# Allegro board LAY-38820_A.brd (continued)
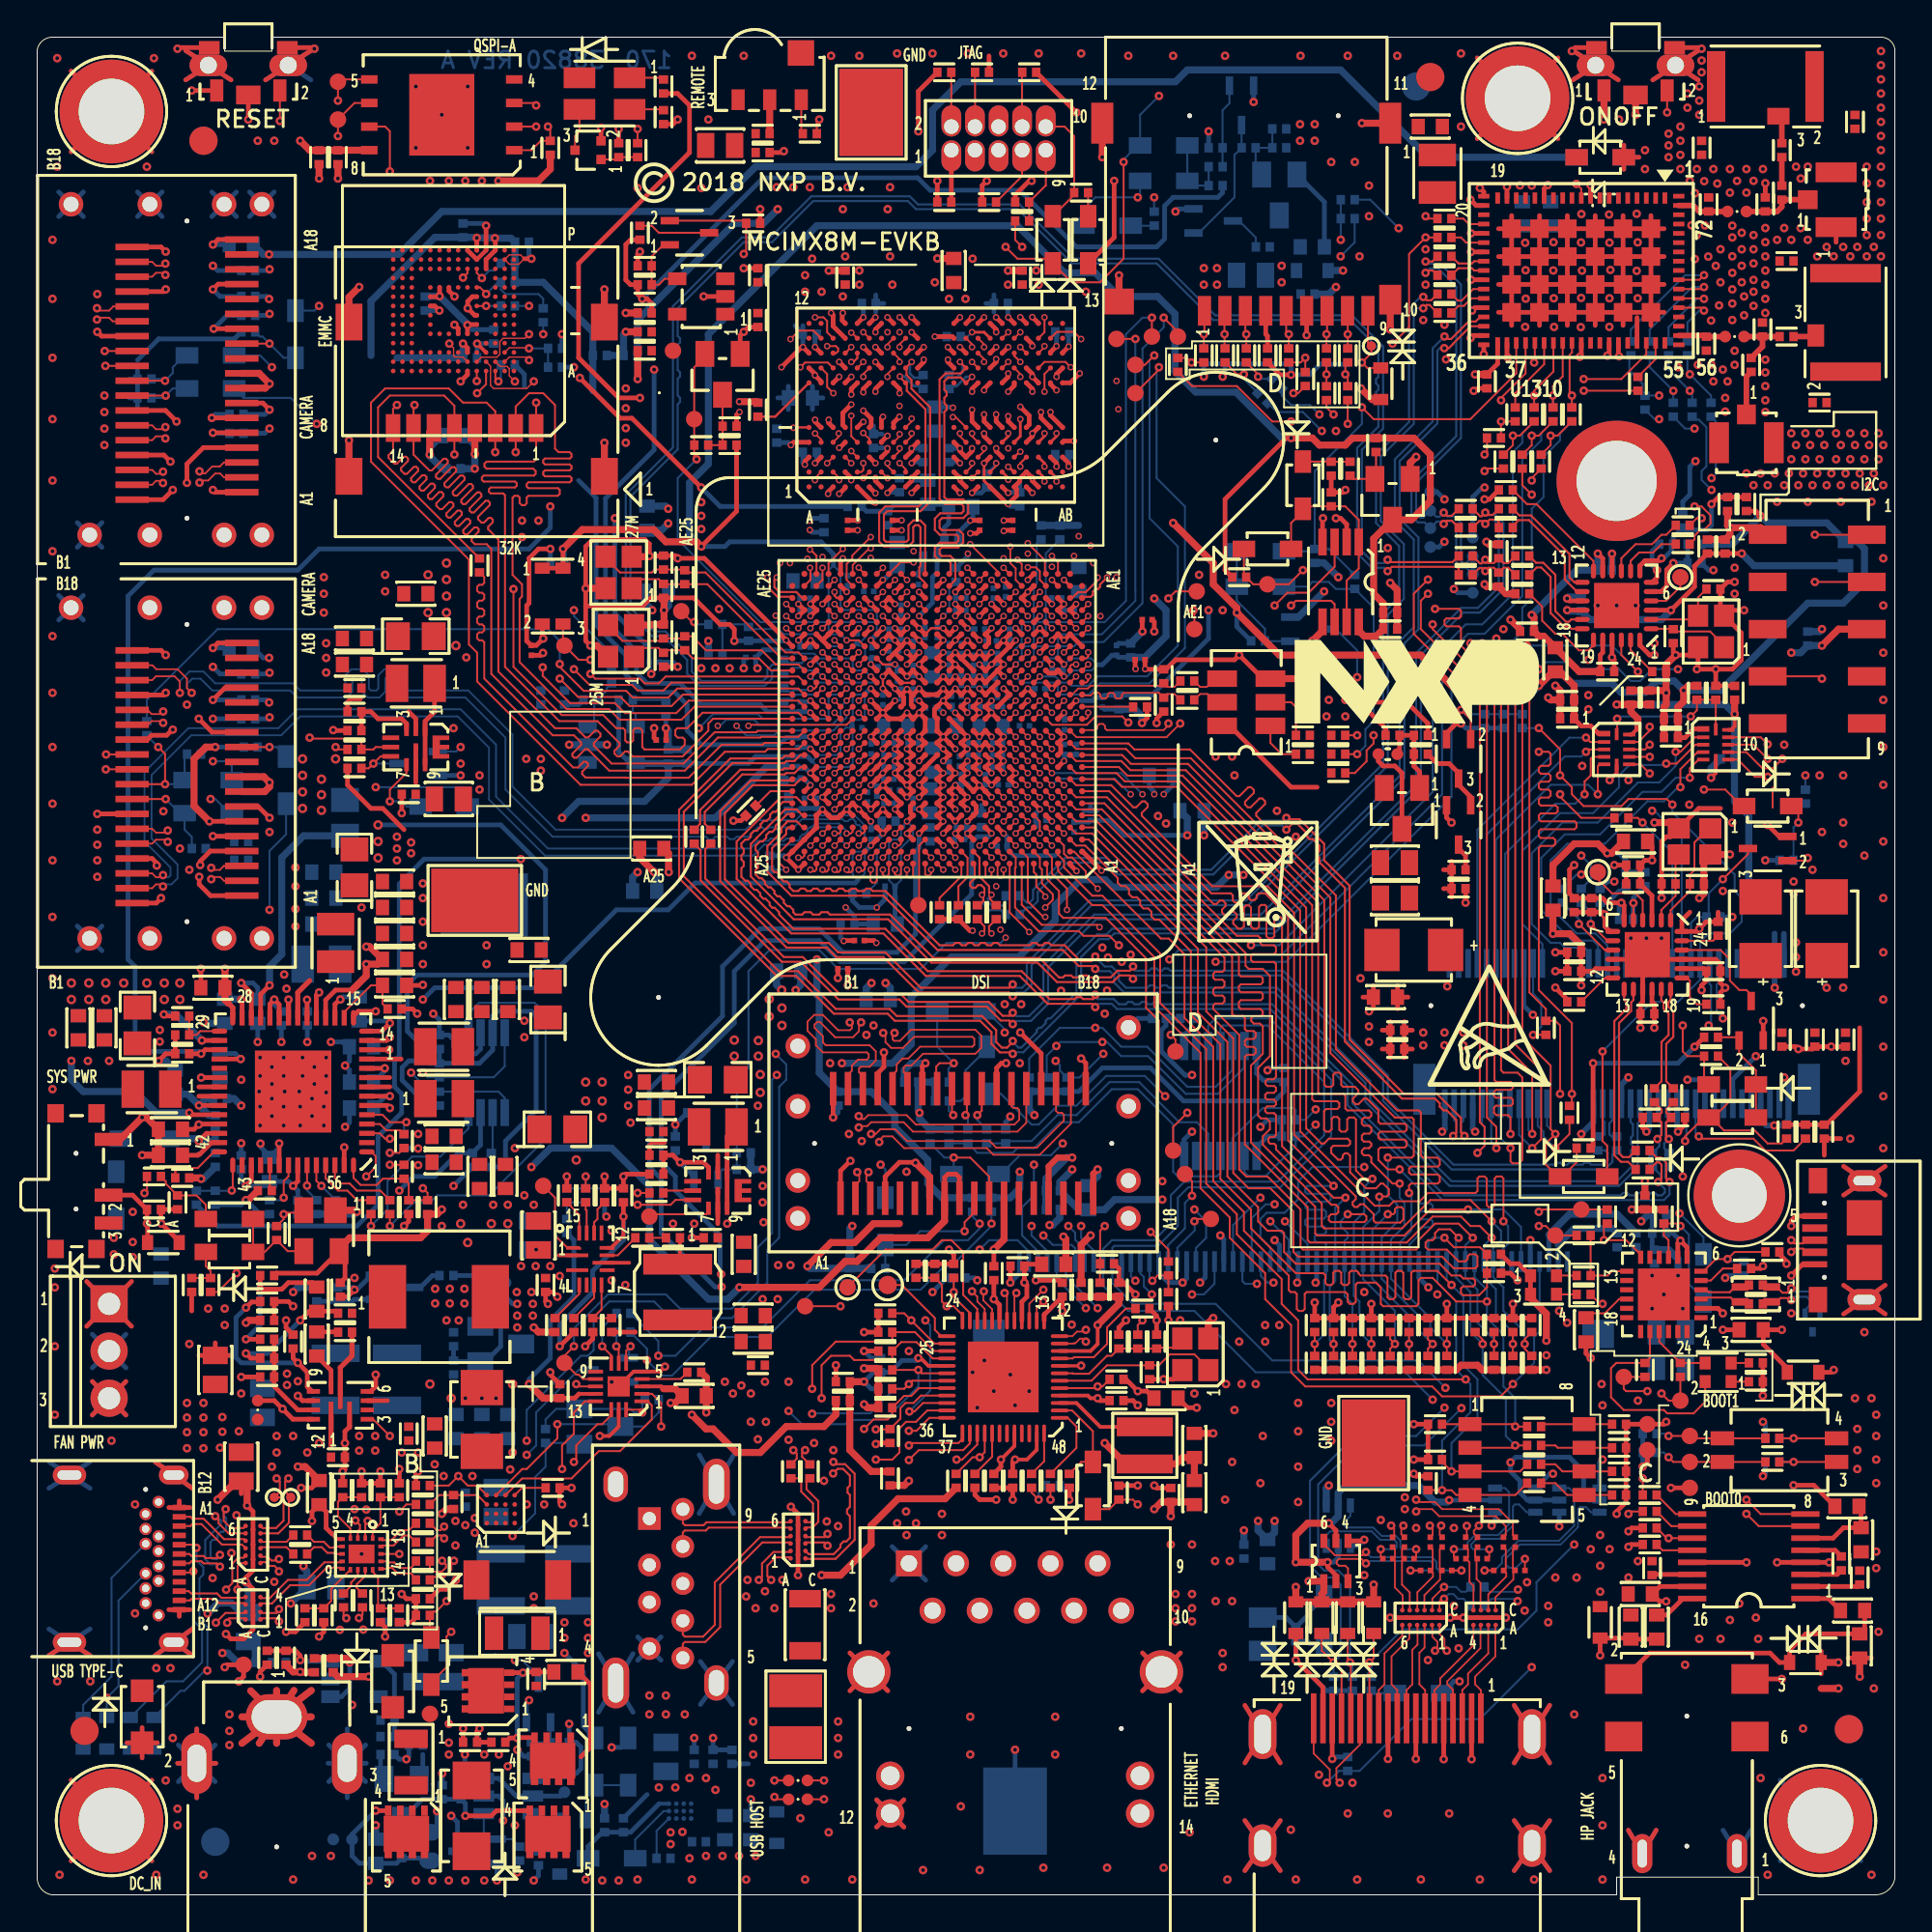
[diagram p0: board, top side]
## Placement (name value [footprint] x y rotation side) (continued)
Q901  AON7405  [DFN3P3X3P3_8L_EX]  27.49 3.11 270 top
Q902  BSS84LT1  [SOT-23]  19.62 5.14 0 bottom
Q903  2SK3018  [SOT323_3]  23.68 2.35 270 bottom
Q905  2SK3018  [SOT323_3]  30.8 28.26 270 bottom
Q906  IRLML6401  [SOT-23]  30.29 25.21 90 bottom
Q907  2SK3018  [SOT323_3]  26.99 10.35 180 bottom
Q908  AON7405  [DFN3P3X3P3_8L_EX]  27.75 7.05 270 top
Q909  AON7405  [DFN3P3X3P3_8L_EX]  23.99 10.98 180 top
Q910  AON7405  [DFN3P3X3P3_8L_EX]  19.87 3.11 270 top
Q1001  NX3020NAKS  [SOT-363_0P65_SMT]  69.91 17.97 90 top
Q1002  NX3020NAKS  [SOT-363_0P65_SMT]  70.04 19.87 90 bottom
Q1003  NX3020NAKS  [SOT-363_0P65_SMT]  83.02 21.25 0 bottom
Q1004  NX3020NAKS  [SOT-363_0P65_SMT]  79.56 21.25 0 bottom
Q1301  2SK3018  [SOT323_3]  68.52 68.13 90 bottom
Q1401  2SK3018  [SOT323_3]  92.26 47.05 0 top
Q1402  IRLML6401  [SOT-23]  73.47 58.48 180 top
Q1403  2SK3018  [SOT323_3]  76.52 61.15 180 top
Q1404  2SK3018  [SOT323_3]  76.52 57.59 180 top
Q1405  2SK3018  [SOT323_3]  93.15 56.32 90 top
Q1601  2SK3018  [SOT323_3]  35.11 89.47 270 top
Q1602  IRLML6401  [SOT-23]  66.86 91.5 0 bottom
Q1603  2SK3018  [SOT323_3]  63.31 90.11 90 bottom
Q1604  2SK3018  [SOT323_3]  64.83 96.33 0 bottom
Q1605  MMBT3904T  [SOT_523]  29.65 93.92 90 top
R101  0  [0402_CC]  32.7 83.12 0 top
R201  150  [0402_CC]  47.69 81.44 90 bottom
R202  150  [0402_CC]  49.08 81.44 90 bottom
R203  240  [0402_CC]  39.81 78.55 90 bottom
R204  240  [0402_CC]  38.8 79.95 270 top
R205  240  [0402_CC]  49.47 71.06 270 bottom
R206  10K  [0402_CC]  46.42 75.88 90 bottom
R207  10K  [0402_CC]  51.12 76.14 90 bottom
R208  10K  [0402_CC]  49.34 83.88 0 bottom
R209  1.5k  [0603_CC]  49.72 74.71 180 bottom
R210  1.5k  [0603_CC]  47.94 75.5 90 bottom
R215  0  [0402_CC]  44 74.74 180 bottom
R301  4.7K  [0402_CC]  50.35 37.15 270 bottom
R302  4.7K  [0402_CC]  51.37 37.15 270 bottom
R303  4.7K  [0402_CC]  53.4 43.62 90 bottom
R304  4.7K  [0402_CC]  54.42 43.62 90 bottom
R305  4.7K  [0402_CC]  70.04 60.39 0 top
R306  4.7K  [0402_CC]  70.04 62.42 0 top
R307  4.7K  [0402_CC]  70.04 61.4 0 top
R308  4.7K  [0402_CC]  55.43 43.62 90 bottom
R309  0  [0402_CC]  70.55 91.25 0 bottom
R310  0  [0402_CC]  70.55 90.23 0 bottom
R401  0  [0402_CC]  36.51 68.39 0 bottom
R402  10K  [0402_CC]  48.83 98.11 0 top
R403  10K  [0402_CC]  53.4 98.11 180 top
R404  10K  [0402_CC]  56.2 91.63 180 top
R405  100  [0402_CC]  48.83 91.12 0 top
R406  0  [0402_CC]  51.24 91.12 180 top
R407  0  [0402_CC]  53.02 91.12 180 top
R408  10K  [0402_CC]  50.86 98.11 0 top
R409  4.7K  [0402_CC]  36.51 66.74 0 bottom
R410  10K  [0402_CC]  55.05 73.34 90 bottom
R411  1M  [0402_CC]  34.86 67.37 90 top
R412  1M  [0402_CC]  34.86 70.93 90 top
R413  100  [0402_CC]  40.19 64.58 270 bottom
R414  100  [0402_CC]  40.19 66.1 270 bottom
R415  1.5K  [0402_CC]  37.27 78.04 180 top
R416  100K  [0402_CC]  35.75 78.04 180 top
R417  0  [0402_CC]  54.04 73.34 90 bottom
R418  0  [0402_CC]  53.02 90.11 180 top
R419  100K  [0402_CC]  64.71 70.93 0 top
R501  200  [0402_CC]  38.42 58.36 225 top
R502  200  [0402_CC]  39.43 55.56 90 bottom
R503  499  [0402_CC]  59.37 63.94 0 top
R504  200  [0402_CC]  48.58 52.89 270 top
R505  15K  [0402_CC]  44.26 53.91 180 bottom
R506  200  [0402_CC]  49.59 52.89 270 top
R508  100K  [0402_CC]  68.13 61.4 180 top
R509  100K  [0402_CC]  68.13 62.42 180 top
R510  0  [0402_CC]  61.91 65.34 180 top
R511  0  [0402_CC]  61.91 64.32 180 top
R512  49.9  [0402_CC]  60.64 64.07 270 top
R513  49.9  [0402_CC]  60.64 65.59 90 top
R601  4.7K  [0402_CC]  25.34 82.36 180 bottom
R602  4.7K  [0402_CC]  25.34 87.82 180 bottom
R603  4.7K  [0402_CC]  25.34 86.8 180 bottom
R616  0  [0402_CC]  23.81 71.56 90 top
R617  0  [0402_CC]  25.34 85.53 0 bottom
R620  10K  [0402_CC]  27.62 94.04 90 top
R621  0  [0402_CC]  27.24 85.03 90 bottom
R701  10K  [0402_CC]  17.08 60.64 0 top
R702  44.2K  [0402_CC]  12.38 29.91 0 top
R703  499K  [0402_CC]  16.57 31.3 180 top
R704  3.3  [0603_CC]  15.05 29.65 90 top
R705  499  [0402_CC]  12.38 28.89 0 top
R706  100K  [0402_CC]  12.38 31.94 0 top
R707  100K  [0402_CC]  12.38 30.92 180 top
R708  1.5M  [RC0402_25]  11.87 26.1 90 top
R709  9.53K  [0402_CC]  12.38 27.88 180 top
R710  240K  [0402_CC]  33.34 39.81 0 top
R711  360K  [0402_CC]  33.34 38.8 180 top
R712  44.2K  [0402_CC]  22.41 29.91 270 bottom
R713  100  [0402_CC]  6.29 38.67 0 top
R714  10K  [0402_CC]  33.34 37.78 0 top
R715  10K  [0402_CC]  15.05 32.32 270 bottom
R716  0  [0402_CC]  12.89 35.62 90 top
R717  1M  [0402_CC]  8.32 32.83 270 top
R718  10K  [0402_CC]  19.75 38.92 90 top
R719  0  [0402_CC]  17.97 37.02 270 top
R720  10.0K  [0402_CC]  12.25 37.91 0 top
R721  0  [0402_CC]  18.99 37.02 270 top
R722  0  [0402_CC]  19.75 40.58 270 bottom
R723  100K  [0402_CC]  21.02 37.02 90 top
R724  0  [0402_CC]  19.75 40.58 270 top
R725  0  [0402_CC]  19.24 47.69 0 top
R731  0  [0402_CC]  27.88 30.67 90 top
R732  10.0K  [0402_CC]  28.89 30.67 90 top
R743  0  [0402_CC]  32.57 35.37 0 top
R744  0  [0402_CC]  29.53 37.65 90 top
R745  1M  [0402_CC]  28.51 37.65 270 bottom
R746  191K  [0402_CC]  30.54 37.65 270 bottom
R747  27K  [0402_CC]  28.51 37.65 90 top
R748  10.0  [0402_CC]  28.51 36 90 bottom
R749  0  [0402_CC]  30.92 30.67 270 top
R752  180K  [0402_CC]  17.08 63.69 0 top
R753  360K  [0402_CC]  17.08 62.67 180 top
R754  10K  [0402_CC]  17.08 61.66 0 top
R755  0  [0402_CC]  12.38 33.34 0 top
R756  0  [0402_CC]  9.59 41.59 270 bottom
R757  56  [0402_CC]  8.57 37.53 270 bottom
R758  6.98K  [0402_CC]  31.69 64.32 180 bottom
R759  56K  [0402_CC]  33.84 63.82 270 bottom
R760  100K  [0402_CC]  29.78 64.32 0 bottom
R761  10K  [0402_CC]  22.03 33.34 180 bottom
R762  0  [0402_CC]  30.92 65.59 270 bottom
R763  100K  [0402_CC]  38.04 39.05 0 bottom
R764  715K  [0402_CC]  35.37 42.1 0 bottom
R801  10K  [0402_CC]  78.42 34.48 0 top
R802  1K  [0402_CC]  85.15 21.53 0 top
R803  1K  [0402_CC]  85.15 22.8 0 top
R804  1K  [0402_CC]  85.15 24.07 0 top
R805  10K  [0402_CC]  78.42 28.64 270 top
R806  1K  [0402_CC]  85.15 25.34 0 top
R807  10K  [0402_CC]  79.44 28.64 270 top
R808  10K  [0402_CC]  80.45 28.64 270 top
R809  10K  [0402_CC]  68.77 28.64 270 top
R810  10K  [0402_CC]  69.79 28.64 270 top
R811  10K  [0402_CC]  70.8 28.64 270 top
R812  10K  [0402_CC]  71.82 28.64 270 top
R813  10K  [0402_CC]  72.83 28.64 270 top
R814  10K  [0402_CC]  73.85 28.64 270 top
R815  10K  [0402_CC]  74.87 28.64 270 top
R816  10K  [0402_CC]  75.88 28.64 270 top
R817  0  [0402_CC]  93.41 24.57 0 top
R818  0  [0402_CC]  93.41 23.3 0 top
R819  0  [0402_CC]  80.58 24.19 0 top
R820  0  [0402_CC]  80.58 22.16 0 top
R821  0  [0402_CC]  80.58 23.18 0 top
R822  0  [0402_CC]  80.58 25.21 0 top
R823  10K  [0402_CC]  93.41 24.57 0 bottom
R824  10K  [0402_CC]  93.41 23.3 180 bottom
R825  1K  [0402_CC]  75.88 30.67 270 top
R826  1K  [0402_CC]  74.87 30.67 270 top
R827  1K  [0402_CC]  73.85 30.67 270 top
R828  1K  [0402_CC]  72.83 30.67 270 top
R829  1K  [0402_CC]  71.82 30.67 270 top
R830  1K  [0402_CC]  70.8 30.67 270 top
R831  1K  [0402_CC]  69.79 30.67 270 top
R832  1K  [0402_CC]  68.77 30.67 270 top
R833  1K  [0402_CC]  80.45 30.67 270 top
R834  1K  [0402_CC]  79.44 30.67 270 top
R835  4.7K  [0402_CC]  75.25 25.34 0 top
R836  1K  [0402_CC]  78.42 30.67 270 top
R837  4.7K  [0402_CC]  77.41 30.67 270 top
R838  4.7K  [0402_CC]  75.25 23.43 0 top
R839  4.7K  [0402_CC]  74.87 22.16 270 top
R840  1K  [0402_CC]  78.42 33.46 180 top
R841  10K  [0402_CC]  70.67 76.77 90 top
R842  1M  [0402_CC]  69.66 75.12 90 top
R843  10  [0603_CC]  6.67 33.84 270 bottom
R844  10K  [0402_CC]  95.19 59.12 270 bottom
R845  100K  [0402_CC]  86.8 24.83 0 bottom
R846  100K  [0402_CC]  86.8 23.81 180 bottom
R847  10K  [0402_CC]  72.07 78.04 270 top
R901  4.7K  [0402_CC]  20.76 15.05 0 top
R902  1.2M  [0402_CC]  18.86 9.41 0 bottom
R903  1M  [0402_CC]  12.38 12.76 90 top
R904  249K  [0402_CC]  13.4 12.76 270 top
R905  4.7K  [0402_CC]  18.48 21.78 270 top
R906  4.7K  [0402_CC]  17.46 21.78 270 top
R907  4.7K  [0402_CC]  19.49 15.05 90 top
R908  4.7K  [0402_CC]  15.43 15.05 90 top
R909  4.7K  [0402_CC]  14.41 15.05 270 top
R910  4.7K  [0402_CC]  18.48 15.05 270 top
R911  4.7K  [0402_CC]  16.45 21.78 90 top
R912  4.7K  [0402_CC]  19.49 21.78 90 top
R913  44.2K  [0402_CC]  20.38 8.06 180 bottom
R914  10K  [0402_CC]  25.97 2.22 90 bottom
R916  10K  [0402_CC]  21.81 5.52 90 bottom
R917  10K  [0402_CC]  30.54 3.75 270 bottom
R918  1K  [0402_CC]  24.83 8.22 0 top
R919  10.0K  [0402_CC]  26.86 11.62 270 top
R920  10K  [0402_CC]  20.76 22.03 0 top
R921  1K  [0402_CC]  36.38 7.43 90 bottom
R924  23.2K  [0402_CC]  20.76 21.02 180 top
R925  53.6K  [0402_CC]  22.41 21.14 270 top
R926  0  [0402_CC]  51.62 52.89 270 top
R927  0  [0402_CC]  50.61 52.89 270 top
R928  0  [0805_CC]  20.38 12.25 90 bottom
R929  0  [0805_CC]  22.29 12.25 90 bottom
R930  100K  [0402_CC]  27.37 24.7 270 bottom
R931  10K  [0402_CC]  33.08 26.66 180 bottom
R932  10K  [0402_CC]  31.56 3.75 270 bottom
R933  249K  [0402_CC]  18.86 8.52 180 bottom
R934  1K  [0402_CC]  15.94 12.36 90 top
R935  91K  [0402_CC]  26.61 7.84 90 bottom
R936  44.2K  [0402_CC]  28.64 7.84 90 bottom
R937  24.3K  [0402_CC]  33.72 1.97 0 bottom
R938  19.6K  [0402_CC]  37.4 7.43 90 bottom
R939  19.6K  [0402_CC]  14.92 12.36 270 top
R940  0  [0402_CC]  31.56 31.3 0 bottom
R941  0  [0402_CC]  31.56 30.29 0 bottom
R942  10.0K  [0402_CC]  18.86 7.56 0 bottom
R943  44.2K  [0402_CC]  23.3 8.22 0 top
R944  44.2K  [0402_CC]  22.82 5.52 270 bottom
R946  44.2K  [0402_CC]  27.62 7.84 270 bottom
R947  3.3K  [0603_CC]  28.89 4 180 bottom
R948  1M  [0402_CC]  19.62 2.35 270 bottom
R949  220K  [RC0402_25]  16.45 2.98 180 bottom
R1002  1M  [0402_CC]  70.55 7.05 90 bottom
R1004  1.5K  [0402_CC]  69.79 11.37 90 bottom
R1007  27K  [0402_CC]  71.82 11.37 90 bottom
R1009  1.5K  [0402_CC]  70.8 11.37 90 bottom
R1011  0  [0402_CC]  67.75 14.03 270 bottom
R1012  604  [0201_CC]  74.74 17.46 180 top
R1013  604  [0201_CC]  75.88 17.46 0 top
R1014  604  [0201_CC]  72.71 18.1 180 top
R1015  604  [0201_CC]  73.85 18.1 0 top
R1016  604  [0201_CC]  78.68 17.46 180 top
R1017  604  [0201_CC]  79.82 17.46 0 top
R1018  604  [0201_CC]  76.64 18.1 180 top
R1019  604  [0201_CC]  77.79 18.1 0 top
R1101  560  [0603_CC]  87.18 14.41 270 top
R1102  560  [0603_CC]  97.73 15.3 0 top
R1103  0  [0402_CC]  86.8 20.64 0 top
R1104  0  [0402_CC]  86.8 21.53 0 top
R1108  10K  [0402_CC]  86.8 19.75 180 top
R1109  10K  [0402_CC]  86.8 18.86 180 top
R1201  0  [0402_CC]  43.37 26.61 180 top
R1202  270  [RC0402_25]  40.96 6.16 0 top
R1203  270  [RC0402_25]  40.96 5.14 0 top
R1204  1.5K  [0402_CC]  54.67 22.03 180 bottom
R1205  10K  [0402_CC]  58.1 27.75 180 top
R1206  10K  [0402_CC]  49.47 22.29 90 top
R1207  10K  [0402_CC]  50.48 22.29 90 top
R1208  1M  [1206_CC]  41.34 14.54 270 top
R1209  0  [0402_CC]  54.55 22.29 90 top
R1210  0  [0402_CC]  53.53 22.29 90 top
R1211  2.37K  [0402_CC]  59.5 31.56 0 top
R1212  10K  [0402_CC]  45.66 27.24 180 bottom
R1213  10K  [0402_CC]  45.66 27.24 180 top
R1214  10K  [0402_CC]  45.66 28.26 180 top
R1215  10K  [0402_CC]  57.21 32.57 270 top
R1216  10K  [0402_CC]  57.59 33.97 0 top
R1217  10K  [0402_CC]  45.66 26.22 180 top
R1218  10K  [0402_CC]  45.66 29.27 180 top
R1219  10K  [0402_CC]  45.91 24.7 270 top
R1220  10K  [0402_CC]  45.66 30.29 180 top
R1221  10K  [0402_CC]  47.31 33.59 90 top
R1222  0  [0402_CC]  56.2 32.57 270 top
R1223  10K  [0402_CC]  58.23 21.65 270 top
R1224  10K  [0402_CC]  55.56 22.29 90 top
R1225  2.49K  [0402_CC]  59.24 29.78 270 top
R1226  1.2K  [0402_CC]  58.23 29.78 90 top
R1227  0  [0402_CC]  45.91 22.41 270 top
R1302  0  [0402_CC]  92.26 82.36 270 top
R1304  0  [0402_CC]  93.92 91.63 90 top
R1305  0  [0402_CC]  75.75 89.22 0 top
R1306  0  [0402_CC]  94.17 83.88 0 top
R1307  0  [0402_CC]  94.17 87.95 0 top
R1308  0  [0402_CC]  95.95 80.33 0 top
R1309  0  [0402_CC]  93.92 93.92 90 top
R1310  0  [0402_CC]  89.6 94.04 90 top
R1311  0  [0402_CC]  97.85 95.44 90 top
R1312  0  [0402_CC]  88.84 83.25 90 bottom
R1313  0  [0402_CC]  87.82 83.25 90 bottom
R1314  0  [0402_CC]  86.8 83.25 90 bottom
R1315  0  [0402_CC]  85.79 83.25 90 bottom
R1316  0  [0402_CC]  79.56 79.69 90 top
R1317  0  [0402_CC]  80.58 79.69 90 top
R1318  0  [0402_CC]  81.6 79.69 90 top
R1319  0  [0402_CC]  82.61 79.69 90 top
R1320  0  [0402_CC]  75.75 90.23 0 top
R1321  0  [0402_CC]  86.17 81.34 90 top
R1322  470  [RC0402_25]  77.28 70.6 90 bottom
R1323  470  [RC0402_25]  77.28 72.55 270 bottom
R1324  56  [RC0402_25]  74.99 73.06 270 bottom
R1325  56  [RC0402_25]  74.99 75.02 90 bottom
R1326  0  [0402_CC]  88.58 72.71 180 top
R1327  0  [0402_CC]  88.58 73.72 180 top
R1328  0  [0402_CC]  79.06 75.63 0 top
R1329  0  [0402_CC]  79.95 70.04 0 top
R1330  0  [0402_CC]  87.31 65.85 180 top
R1331  0  [0402_CC]  79.06 74.61 180 top
R1332  0  [0402_CC]  79.06 73.6 180 top
R1333  0  [0402_CC]  79.95 72.07 180 top
R1334  0  [0402_CC]  79.95 71.06 180 top
R1335  0  [0402_CC]  80.58 79.69 90 bottom
R1336  0  [0402_CC]  82.61 79.69 90 bottom
R1337  0  [0402_CC]  81.6 79.69 90 bottom
R1338  0  [0402_CC]  76.9 74.61 180 top
R1339  0  [0402_CC]  76.9 73.6 180 top
R1340  49.9  [0402_CC]  78.68 72.33 90 top
R1341  49.9  [0402_CC]  78.68 70.8 270 top
R1342  10K  [0402_CC]  65.72 67.5 0 bottom
R1343  10K  [0402_CC]  68.77 72.07 90 bottom
R1344  0  [0402_CC]  89.22 72.71 180 bottom
R1345  0  [0402_CC]  89.22 71.69 180 bottom
R1346  0  [0402_CC]  88.58 73.98 270 bottom
R1347  0  [0402_CC]  92.01 74.87 90 top
R1348  -  [RC0402_25]  91.38 83.88 0 top
R1349  -  [RC0402_25]  91.5 90.61 0 top
R1357  0  [0402_CC]  70.93 70.67 90 bottom
R1401  0  [0805_CC]  73.09 53.66 0 top
R1402  0  [0805_CC]  73.09 55.56 0 top
R1405  0  [0402_CC]  90.49 52.01 270 top
R1411  0  [0402_CC]  82.74 48.07 0 top
R1412  0  [0402_CC]  90.23 47.94 180 top
R1415  10K  [0402_CC]  94.17 41.08 270 top
R1416  10K  [0402_CC]  95.19 41.08 270 top
R1417  0  [0402_CC]  52.51 53.78 0 bottom
R1418  0  [0402_CC]  52.51 52.77 0 bottom
R1419  10K  [0402_CC]  90.11 46.16 0 top
R1421  0  [0402_CC]  86.42 39.05 0 top
R1422  0  [0402_CC]  86.42 40.07 0 top
R1423  0  [0402_CC]  87.06 43.04 270 top
R1424  0  [0402_CC]  88.07 43.04 270 top
R1425  0  [0402_CC]  86.96 39.56 90 bottom
R1426  0  [0402_CC]  87.85 39.56 90 bottom
R1427  49.9  [0402_CC]  86.8 41.85 180 top
R1428  49.9  [0402_CC]  88.33 41.85 0 top
R1429  0  [0402_CC]  68.26 81.6 270 top
R1430  0  [0402_CC]  66.74 81.34 315 bottom
R1431  0  [0402_CC]  69.4 80.83 270 top
R1432  0  [0402_CC]  70.55 80.83 270 top
R1433  0  [0402_CC]  61.4 82.36 270 top
R1434  0  [0402_CC]  65.98 80.58 315 bottom
R1435  0  [0402_CC]  82.49 42.1 270 top
R1436  0  [0402_CC]  60.13 90.23 90 bottom
R1437  10K  [0402_CC]  90.23 52.64 180 bottom
R1438  0  [0402_CC]  85.28 57.97 180 top
R1441  0  [0402_CC]  81.22 46.67 90 top
R1442  0  [0402_CC]  80.96 77.15 90 top
R1443  0  [0402_CC]  78.93 77.15 90 top
R1444  0  [0402_CC]  78.42 78.42 0 top
R1445  0  [0402_CC]  79.95 77.15 90 top
R1446  0  [0402_CC]  88.07 79.95 90 bottom
R1447  0  [0402_CC]  86.55 80.33 90 bottom
R1448  0  [0402_CC]  89.09 79.95 90 bottom
R1449  0  [0402_CC]  90.11 79.95 90 bottom
R1450  10K  [0402_CC]  89.34 64.71 270 top
R1451  100K  [0402_CC]  90.36 64.71 90 top
R1452  0  [0402_CC]  83.12 53.78 270 bottom
R1453  0  [0402_CC]  82.1 53.78 270 bottom
R1454  0  [0402_CC]  86.55 54.67 270 bottom
R1455  0  [0402_CC]  85.53 52.51 0 bottom
R1456  0  [0402_CC]  85.53 54.67 270 bottom
R1457  0  [0402_CC]  84.14 53.78 270 bottom
R1458  10K  [0402_CC]  78.93 63.18 270 bottom
R1459  0  [0402_CC]  79.95 63.18 90 bottom
R1460  22K  [0402_CC]  74.48 62.42 180 top
R1461  10K  [0402_CC]  74.48 61.4 0 top
R1462  51  [0402_CC]  76.52 55.18 0 top
R1463  1K  [0402_CC]  94.17 55.69 0 bottom
R1464  10K  [0402_CC]  83.25 40.19 180 top
R1465  0  [0402_CC]  90.11 45.15 0 top
R1501  0  [0402_CC]  51.12 40.83 270 bottom
R1502  0  [0402_CC]  50.1 40.83 270 bottom
R1505  10K  [0402_CC]  11.37 84.14 0 bottom
R1506  10K  [0402_CC]  5.78 80.58 0 bottom
R1507  10K  [0402_CC]  5.78 81.6 0 bottom
R1508  10K  [0402_CC]  11.49 61.78 0 bottom
R1509  10K  [0402_CC]  8.7 56.32 180 bottom
R1510  10K  [0402_CC]  8.44 61.4 180 bottom
R1519  10K  [0402_CC]  48.7 42.73 0 bottom
R1520  10K  [0402_CC]  48.7 43.75 0 bottom
R1521  10K  [0402_CC]  48.07 40.83 270 bottom
R1522  10K  [0402_CC]  67.37 40.83 0 bottom
R1523  10K  [0402_CC]  67.37 41.72 0 bottom
R1524  10K  [0402_CC]  49.08 40.83 270 bottom
R1525  10K  [0402_CC]  52.13 40.83 270 bottom
R1526  10K  [0402_CC]  21.65 42.86 90 bottom
R1527  10K  [0402_CC]  21.65 44.39 270 bottom
R1528  10K  [0402_CC]  24.45 39.56 90 bottom
R1529  10K  [0402_CC]  61.91 47.18 0 bottom
R1530  0  [0402_CC]  5.9 62.8 90 bottom
R1531  10K  [0402_CC]  45.27 33.72 0 bottom
R1601  499K  [0402_CC]  32.7 86.68 0 top
R1602  330K  [0402_CC]  32.45 89.47 90 top
R1603  0  [0402_CC]  67.37 82.87 90 top
R1604  160K  [0402_CC]  32.7 87.69 180 top
R1605  10K  [0402_CC]  38.54 89.98 0 top
R1606  0  [0603_CC]  68.64 88.71 180 bottom
R1607  22K  [0402_CC]  66.86 95.06 180 bottom
R1608  51  [0402_CC]  65.98 88.71 180 bottom
R1609  1K  [0402_CC]  33.72 95.69 90 top
R1610  47  [0402_CC]  39.05 94.8 0 top
R1611  10K  [0402_CC]  65.21 94.04 180 bottom
R1612  10K  [0402_CC]  63.44 92.01 180 bottom
R1613  0  [0402_CC]  63.44 93.03 0 bottom
R1614  1K  [0402_CC]  32.32 93.92 270 top
R1615  0  [0402_CC]  41.59 94.8 180 top
R1616  10K  [0402_CC]  31.3 93.92 90 top
R1617  0  [0402_CC]  65.09 82.87 90 top
R1618  0  [0402_CC]  69.4 82.87 90 top
R1619  0  [0402_CC]  70.55 82.87 90 top
R1620  0  [0402_CC]  62.8 82.87 90 top
R1621  0  [0402_CC]  63.94 82.87 90 top
R1622  1K  [0402_CC]  33.72 97.34 90 top
R1701  0  [0402_CC]  92.52 31.81 180 top
R1702  1K  [0402_CC]  92.52 28.64 180 top
R1703  1K  [0402_CC]  92.52 27.62 180 top
R1704  4.7K  [0402_CC]  87.57 36.51 270 top
R1706  0  [0402_CC]  92.52 32.83 180 top
R1707  1K  [0402_CC]  83.25 33.34 180 top
R1708  1K  [0402_CC]  83.25 32.32 180 top
R1712  0  [0402_CC]  88.45 28.26 270 top
R1713  0  [0402_CC]  86.55 28.26 270 top
R1714  0  [0402_CC]  83.25 35.5 180 top
R1715  0  [0402_CC]  84.52 36.51 90 top
R1716  0  [0402_CC]  91.88 33.72 180 top
R1801  0  [0805_CC]  87.95 28.38 0 bottom
R1802  0  [0402_CC]  60.9 33.72 90 top
R1803  0  [0402_CC]  60.9 32.07 270 top
R1804  0  [0402_CC]  86.07 35.24 270 bottom
R1805  0  [0402_CC]  85.05 35.24 270 bottom
SH701  SOLDER SHORT  [SH0805]  28 41.21 0 top
SH702  SOLDER SHORT  [SH0805]  27.49 48.2 90 top
SH703  SOLDER SHORT  [SH0805]  16.57 57.97 90 bottom
SH704  SOLDER SHORT  [SH0805]  5.4 46.8 90 top
SH706  SOLDER SHORT  [SH0805]  17.08 55.31 90 top
SH708  SOLDER SHORT  [SH0805]  20.38 67.75 0 top
SH709  SOLDER SHORT  [SH0805]  36.64 43.88 0 top
SW701  SW SPDT  [SW_SPDT_RA]  2.09 38.42 270 top
SW801  DHN-04  [97C04]  80.2 23.43 270 top
SW802  DHN-02  [SW_DIP2_SM]  93.79 23.94 270 top
SW1701  TACT SWTICH  [SW2_3P4_TACT_SM_NSP]  86.04 98.49 180 top
SW1702  TACT SWTICH  [SW2_3P4_TACT_SM_NSP]  11.37 98.49 180 top
TP201  TP_35MIL  [TESTPOINT_35MIL]  62.29 68.13 0 top
TP202  TP_35MIL  [TESTPOINT_35MIL]  62.42 70.17 0 top
TP401  TP_35MIL  [TESTPOINT_35MIL]  66.23 70.55 270 top
TP402  TP_35MIL  [TESTPOINT_35MIL]  59.12 80.83 270 top
TP403  TP_35MIL  [TESTPOINT_35MIL]  60.01 83.88 270 top
TP404  TP_35MIL  [TESTPOINT_35MIL]  58.1 83.76 270 top
TP405  TP_35MIL  [TESTPOINT_35MIL]  59.12 82.36 270 top
TP406  TP_35MIL  [TESTPOINT_35MIL]  61.4 83.88 270 top
TP407  TP_35MIL  [TESTPOINT_35MIL]  34.67 69.1 270 top
TP408  TP_35MIL  [TESTPOINT_35MIL]  28.38 67.25 90 top
TP409  TP_35MIL  [TESTPOINT_35MIL]  35.37 79.44 0 top
TP501  TP_35MIL  [TESTPOINT_35MIL]  47.43 53.28 0 top
TP502  TP_35MIL  [TESTPOINT_35MIL]  41.34 31.69 0 top
TP602  TP_35MIL  [TESTPOINT_35MIL]  16.19 97.6 0 top
TP603  TP_35MIL  [TESTPOINT_35MIL]  16.19 95.57 0 top
TP701  TP_35MIL  [TESTPOINT_35MIL]  32.96 36.51 90 top
TP704  TP_35MIL  [TESTPOINT_35MIL]  27.24 38.16 0 top
TP803  TP_35MIL  [TESTPOINT_35MIL]  63.18 36.38 0 top
TP804  TP_35MIL  [TESTPOINT_35MIL]  61.78 38.8 0 top
TP901  TP_35MIL  [TESTPOINT_35MIL]  28.38 28.64 0 top
TP1201  TEST POINT  [C035S]  43.62 32.7 180 top
TP1202  1 mm  [TESTPOINT_39MIL]  45.78 32.83 180 top
TP1301  TEST POINT  [C035S]  88.45 70.93 180 top
TP1401  TEST POINT  [C035S]  84.01 55.05 270 top
TP1402  TESTLOOP  [TEST_PIN_TP107]  24.07 53.28 180 bottom
TP1403  TESTLOOP  [TEST_PIN_TP107]  44.89 95.95 270 bottom
TP1404  TESTLOOP  [TEST_PIN_TP107]  23.56 53.53 0 top
TP1405  TESTLOOP  [TEST_PIN_TP107]  44.89 95.95 90 top
TP1406  TESTLOOP  [TEST_PIN_TP107]  52.64 4.51 270 bottom
TP1407  TESTLOOP  [TEST_PIN_TP107]  71.94 24.32 90 top
TP1601  TP_35MIL  [TESTPOINT_35MIL]  34.23 83.12 0 top
TP1602  -  [TPAD_020]  71.82 83.37 270 top
TP1701  TP_35MIL  [TESTPOINT_35MIL]  86.68 25.34 90 top
TP1702  TP_35MIL  [TESTPOINT_35MIL]  83.12 36.89 180 top
TP1703  TP_35MIL  [TESTPOINT_35MIL]  81.72 35.5 180 top
TP1704  TP_35MIL  [TESTPOINT_35MIL]  86.68 23.94 90 top
TP1705  TP_35MIL  [TESTPOINT_35MIL]  85.41 27.88 90 top
TP1706  TP_35MIL  [TESTPOINT_35MIL]  88.45 26.61 90 top
TP1707  -  [TPAD_020]  12.76 21.4 90 top
TP1708  -  [TPAD_020]  13.65 21.4 90 top
TP1709  TP_35MIL  [TESTPOINT_35MIL]  11.11 12.38 90 top
TP1710  TP_35MIL  [TESTPOINT_35MIL]  88.96 23.3 90 top
TP1711  TP_35MIL  [TESTPOINT_35MIL]  88.96 24.7 90 top
TP1712  TP_35MIL  [TESTPOINT_35MIL]  21.14 9.74 90 top
TP1713  TP_35MIL  [TESTPOINT_35MIL]  88.96 21.91 90 top
TP1801  TP_35MIL  [TESTPOINT_35MIL]  61.28 45.4 0 top
TP1802  TP_35MIL  [TESTPOINT_35MIL]  61.15 40.07 0 top
TVS902  ESD5B5.0ST1G  [DIODE2_SOD523]  6.29 8.7 90 bottom
TVS903  ESD5B5.0ST1G  [DIODE2_SOD523]  3.75 8.7 90 bottom
TVS904  ESD5B5.0ST1G  [DIODE2_SOD523]  5.02 8.7 90 bottom
TVS905  ESD5B5.0ST1G  [DIODE2_SOD523]  2.48 8.7 90 bottom
TVS907  ESD5B5.0ST1G  [DIODE2_SOD523]  39.81 3.62 270 bottom
TVS1002  ESD5B5.0ST1G  [DIODE2_SOD523]  67.75 14.92 270 top
TVS1003  ESD5B5.0ST1G  [DIODE2_SOD523]  69.15 14.92 270 top
TVS1004  ESD5B5.0ST1G  [DIODE2_SOD523]  70.55 14.92 270 top
TVS1005  ESD5B5.0ST1G  [DIODE2_SOD523]  71.94 14.92 270 top
TVS1101  ESD5B5.0ST1G  [DIODE2_SOD523]  84.14 14.67 270 top
TVS1103  ESD5B5.0ST1G  [DIODE2_SOD523]  95.19 12.51 180 top
TVS1601  ESD5B5.0ST1G  [DIODE2_SOD523]  72.33 81.34 90 top
TVS1602  ESD5B5.0ST1G  [DIODE2_SOD523]  68.64 87.44 180 bottom
TVS1701  ESD5B5.0ST1G  [DIODE2_SOD523]  95.06 28.13 180 top
U101  MIMX8MQ6DVAJZAA + MBF25004-15W/2.0P+T725 A1  [BGA621_HEATSINK]  48.45 63.31 180 top
U201  MT53B768M32D4NQ-062 WT:B  [BGA200_0P65X0P8_10P1X14P6]  48.37 80.19 90 top
U401  UM803RS  [SOT-23]  36.89 81.85 180 top
U601  SDINBDG4-16G-I  [FBGA153_0P5_11P5X13]  22.41 85.28 180 top
U603  MT25QL256ABA1EW9  [WPDFN8_1P27_8X6MM]  21.78 95.82 180 top
U701  MP8759GD  [QFN12_0P5_3P1X2P1]  16.32 26.35 180 top
U702  MC34PF4210A1ES  [QFN56_0P5_8X8_EP4P1X4P4]  13.78 43.24 180 top
U703  LDCL015MR  [SOT-23-5]  30.92 61.91 90 bottom
U704  UM805RE  [SOT_143]  15.3 35.75 180 top
U705  MP2147GD  [QFN12_0P5_2X3MM_EP]  20.38 61.78 270 top
U706  MP2263GD  [DFN15_0P4_2X3]  29.78 34.23 0 top
U707  MP2147GD  [QFN12_0P5_2X3MM_EP]  36.64 37.91 270 top
U801  UM803RS  [SOT-23]  72.96 75.12 180 top
U802  74LVC2G125  [TSSOP8_A]  70.17 70.67 270 top
U901  PTN36043  [DHXQFN18_0P4_2X2P45]  17.46 18.35 270 top
U902  PCMF3USB3S  [WLCSP15_0P4_2P42X1P22_SMDP]  11.62 18.86 90 top
U903  PCMF2USB3S  [WLCSP10_0P4_1P2X1P6MM_SMDP]  11.62 15.43 180 top
U905  NX5P3090UK  [WLCSP12_0P4_1P38X1P68MM_SMDP]  34.61 4.51 270 bottom
U906  NX5P3290  [BGA16_0P5_2P15X2P15]  24.95 20.76 90 top
U907  PTN5110DHQ  [HX2QFN16_0P4_2P7X2P7]  31.3 27.37 180 top
U908  PCMF3USB3S  [WLCSP15_0P4_2P42X1P22_SMDP]  40.96 19.11 90 top
U909  SGM8709YN5G  [SOT-23-5]  17.08 11.62 90 bottom
U910  SGM8710YN6G/TR  [SOT23-6]  25.36 5.32 90 bottom
U1001  PCMF3HDMI2S  [WLCSP15_0P4_2P42X1P22_SMDP]  74.48 14.92 180 top
U1002  PCMF2HDMI2S  [WLCSP10_0P4_1P2X1P6MM_SMDP]  77.91 14.92 270 top
U1101  WM8524CGEDT  [TSSOP16]  92.14 18.22 180 top
U1201  AR8031  [QFN48_0P4_6X6MM_EPAD]  52.01 27.88 180 top
U1301  LBEH5UL1CX-TEMP-D  [MODULE96_11P7X9]  83.12 87.44 180 top
U1302  9FGV0241AKLF  [QFN24_0P5_4X4_EP2P2]  85.03 69.4 180 top
U1401  9FGV0241AKLF  [QFN24_0P5_4X4_EP2P2]  86.68 50.61 270 top
U1402  NTB0104GU12  [XQFN12_0P4_1P8X2P1]  85.03 61.66 0 top
U1403  NTB0104GU12  [XQFN12_0P4_1P8X2P1]  90.36 61.91 0 top
U1501  NTS0104PW  [TSSOP14]  63.69 42.73 90 bottom
U1502  NTS0102  [TSSOP8_A]  24.19 44.26 270 bottom
U1601  LDCL015MR  [SOT-23-5]  35.75 86.04 90 top
U1602  IRM-V538T/TR1  [RCVR_SM_IRM_V5]  39.43 98.23 0 top
U1701  CP2105  [QFN24_0P5_4X4_EP]  87.57 32.32 180 top
Y401  25MHz  [XTAL4_2P6X2P1MM_SM]  31.43 67.5 90 top
Y402  27MHz  [XTAL4_2P6X2P1MM_SM]  31.3 71.18 90 top
Y403  32.768KHZ  [XTAL_3P4X1P7_SM]  27.75 69.91 270 top
Y501  27MHz  [OSC6_1P27_5P2X3P4]  65.09 64.2 180 top
Y1201  25MHz  [XTAL4_2P6X2P1MM_SM]  62.34 29.1 90 top
Y1301  25MHz  [XTAL4_2P6X2P1MM_SM]  90.11 68.01 90 top
Y1401  25MHz  [XTAL4_2P6X2P1MM_SM]  89.22 56.7 180 top
